# KiCad board MasterController.kicad_pcb (continued)
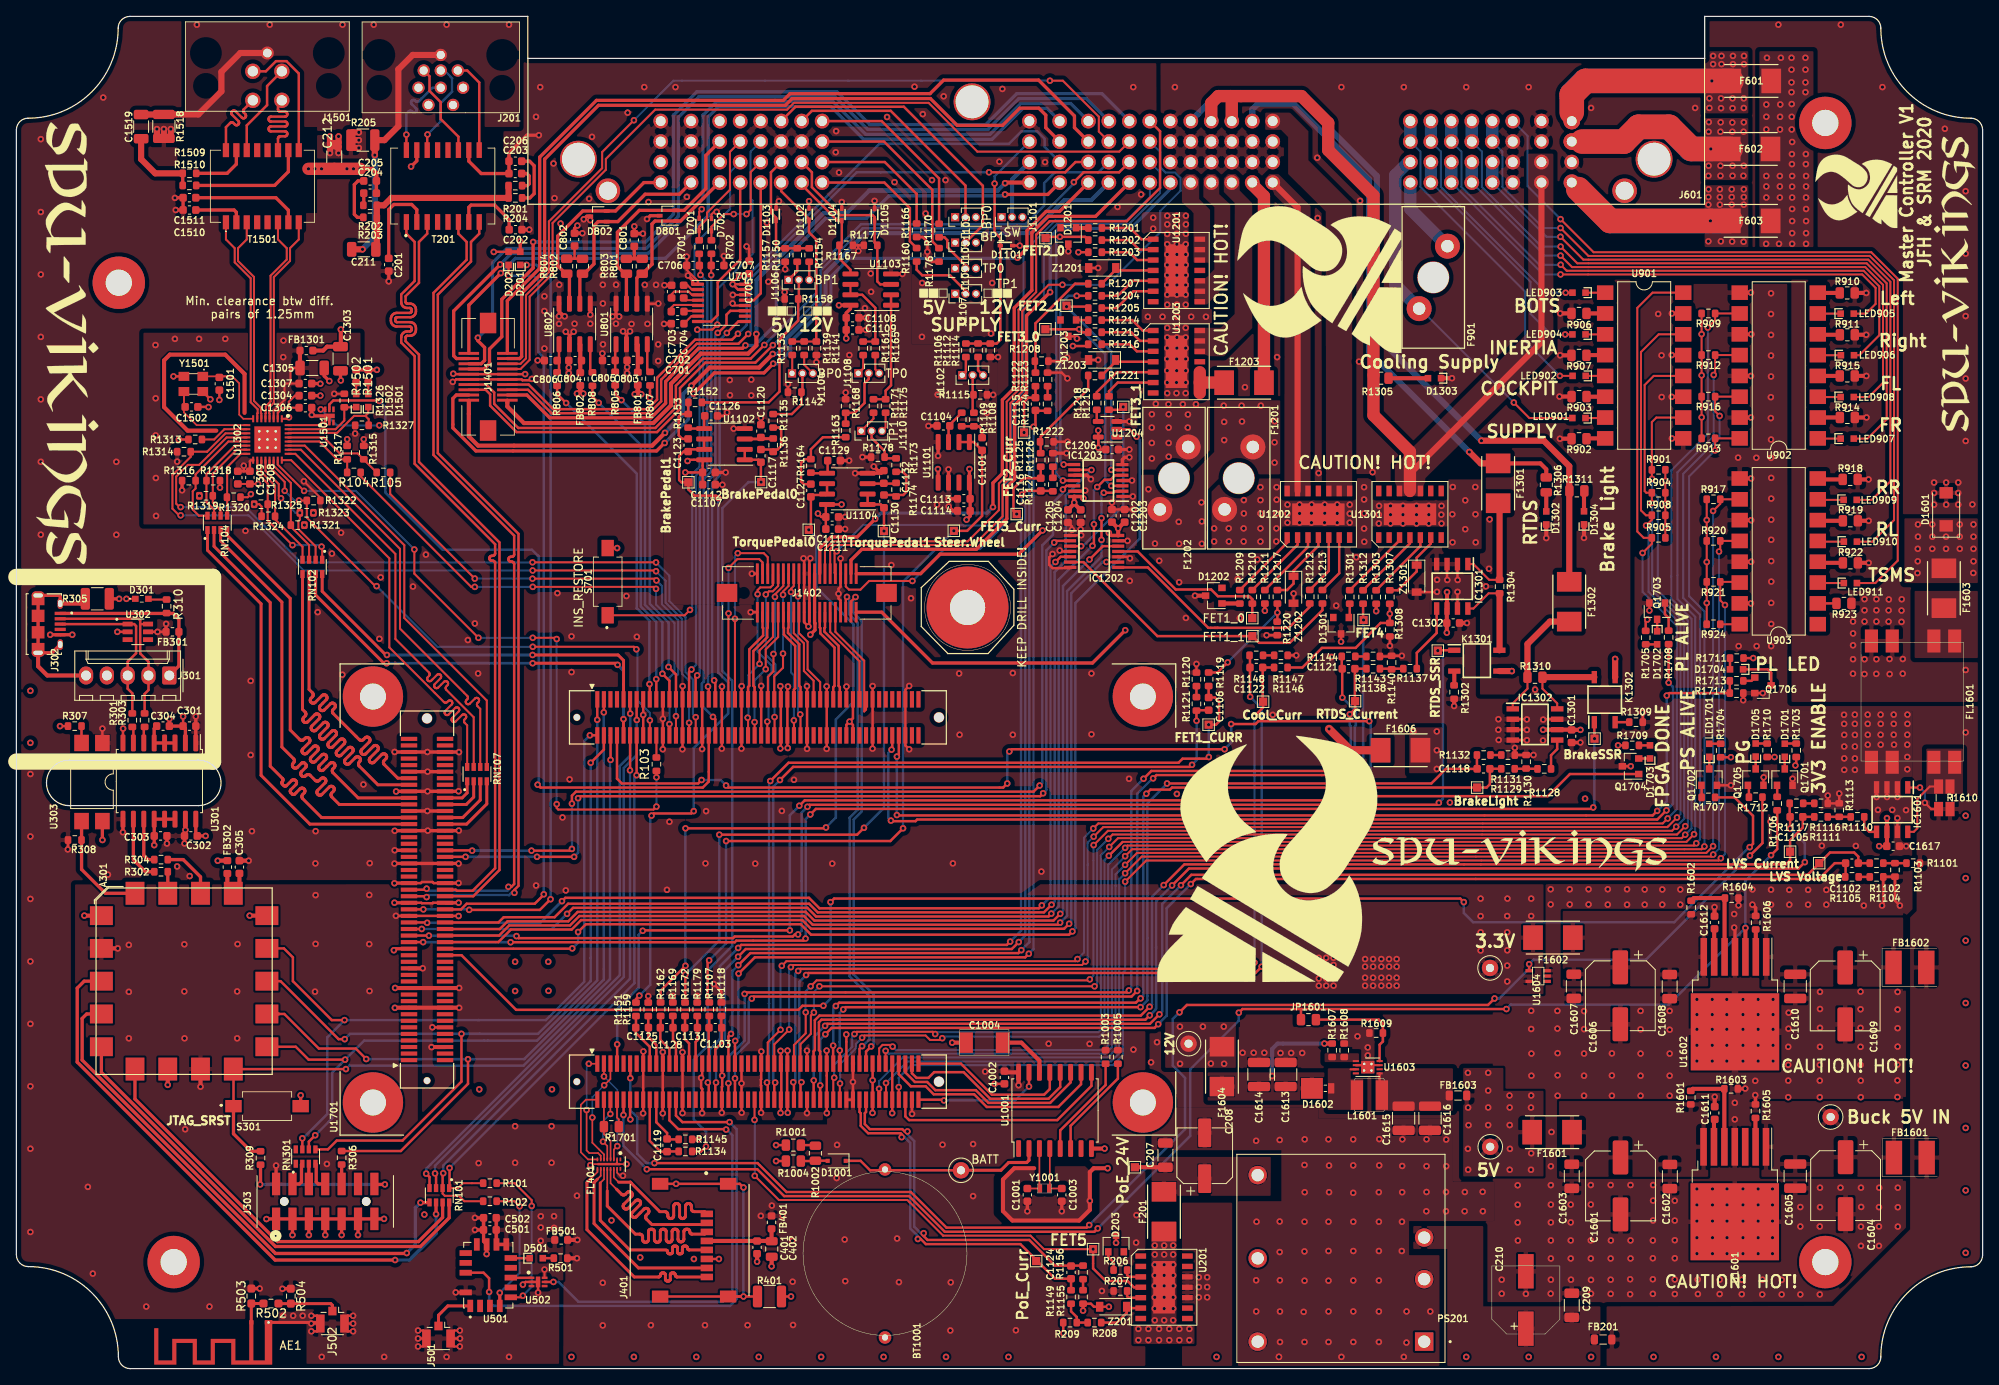
[diagram p0: board, top side]
## Routing (per net, layer and track width the routed paths; a pad name or vN(x,y) marks a point on that pad's centre or on a via; arc(x,y) is an arc through that point) (continued)
Net-(J1102-Pad1): length 2.4
  Top w0.3: R1106.1 115.9,121.66 J1102.1
Net-(J1102-Pad2): length 4.9
  Top w0.3: 117.03,116.78 R1108.2 116.72,116.78 116.72,121.22
Net-(J1102-Pad3): length 2.5
  Top w0.3: J1102.3 117.38,121.83 R1112.1
Net-(J1104-Pad1): length 2.3
  Top w0.25: J1104.1 94.7,121.47 R1133.1
Net-(J1104-Pad2): length 7.8
  Top w0.3: J1104.2 95.94,119.27 R1142.2 95.83,117.65 94.65,116.47 R1135.2
Net-(J1104-Pad3): length 2.7
  Top w0.25: J1104.3 96.16,122.5 R1139.1
Net-(J1106-Pad1): length 2.6
  Top w0.3: J1106.1 95.31,133.92 R1150.1
Net-(J1106-Pad2): length 25.7
  Top w0.3: R1158.2 95.51,130.61 J1106.2 ; R1158.2 95.42,127.85 93.15,125.58 93.15,119.22 91.83,117.9 R1152.2 84.65,117.9 ; R1158.2 95.35,130.53
Net-(J1106-Pad3): length 2.2
  Top w0.3: J1106.3 96.77,132.86 R1154.1
Net-(J1107-Pad2): length 8.4
  Top w0.3: J1107.2 115.86,131.51 113.96,133.41 110.57,133.41 109.88,134.09 R1160.2
Net-(J1108-Pad1): length 2.5
  Top w0.25: R1161.1 103.36,122.05 J1108.1
Net-(J1108-Pad2): length 8.1
  Top w0.3: R1168.2 102.32,116.62 103.53,117.83 103.53,120.23 104.04,120.75 J1108.2 ; R1168.2 101.15,116.55 ; R1168.2 R1163.2
Net-(J1108-Pad3): length 2.4
  Top w0.25: R1165.1 104.84,121.92 J1108.3
Net-(J1109-Pad2): length 5.5
  Top w0.3: R1170.2 113.28,138.05 113.62,137.7 113.62,136.85 115.85,134.62 J1109.2
Net-(J1110-Pad1): length 2.8
  Top w0.25: J1110.1 104.62,115.92 104.62,116.64
Net-(J1110-Pad2): length 5.4
  Top w0.3: 107.32,111.03 R1173.2 106.12,111.08 R1178.2 105.97,111.97 104.39,113.56 J1110.2
Net-(J1110-Pad3): length 2.4
  Top w0.25: J1110.3 106.1,114.86 106.1,116.64
Net-(JP1601-Pad2): length 16
  Top w0.25: 166.8,39.93 R1609.1 166.8,42.07 166.28,42.6
  Top w0.3: U1603.8 166.4,39.53 166.8,39.93 166.8,42.07 166.29,42.58 JP1601.2
Net-(K1301-Pad2): length 1.8
  Top w0.5: R1302.1 175.51,83.4 K1301.2
Net-(K1302-Pad2): length 1.7
  Top w0.3: K1302.2 195.15,78.88 R1309.1
Net-(LED901-Pad1): length 2.4
  Top w0.25: U901.7 193.86,115.99 LED901.1
Net-(LED902-Pad1): length 2.4
  Top w0.25: LED902.1 193.92,121.13 U901.5
Net-(LED903-Pad1): length 2.4
  Top w0.25: U901.1 193.92,131.28 LED903.1
Net-(LED904-Pad1): length 2.4
  Top w0.25: LED904.1 193.91,126.19 U901.3
Net-(LED905-Pad1): length 2.8
  Top w0.25: U902.7 219.9,128.73 LED905.1
Net-(LED906-Pad1): length 2.8
  Top w0.25: U902.5 219.89,123.66 LED906.1
Net-(LED907-Pad1): length 2.8
  Top w0.25: 219.65,114.08 219.64,114.06 ; LED907.1 219.91,113.48 U902.1
Net-(LED908-Pad1): length 2.8
  Top w0.25: LED908.1 219.91,118.56 U902.3 ; 219.65,119.15 219.64,119.14
Net-(LED909-Pad1): length 3.2
  Top w0.25: LED909.1 219.95,106.01 219.88,106.08
Net-(LED910-Pad1): length 3.2
  Top w0.25: LED910.1 219.97,100.91 219.88,101
Net-(LED911-Pad1): length 3.2
  Top w0.25: LED911.1 219.94,95.86 219.88,95.92 ; 219.65,96.63 219.64,96.62
Net-(LED1701-Pad1): length 1.5
  Top w0.3: LED1701.1 206.63,73.18 Q1702.3
Net-(LED1701-Pad2): length 1.4
  Top w0.3: LED1701.2 206.64,76.25 R1704.2
Net-(Q1701-Pad1): length 1.4
  Top w0.3: R1706.1 214.93,71.15 Q1701.1
Net-(Q1702-Pad1): length 1.5
  Top w0.3: Q1702.1 205.7,71.15 R1707.1
Net-(Q1703-Pad1): length 3.6
  Top w0.3: R1708.1 201.68,91.6 201.22,92.05 Q1703.1
Net-(Q1705-Pad1): length 1.5
  Top w0.3: R1712.1 211.47,71.05 Q1705.1
Net-(Q1706-Pad1): length 1.6
  Top w0.3: R1713.1 211.79,83.92 Q1706.1
Net-(R206-Pad1): length 2.4
  Top w0.3: 135.6,12 R206.1 135.57,11.43 135.81,11.19 U201.3
Net-(R207-Pad1): length 2.4
  Top w0.3: 135.59,9.46 R207.1 135.57,8.82 135.75,8.66 U201.5
Net-(R208-Pad1): length 5.9
  Top w0.3: 137.24,7.38 135.61,7.38 135.53,7.3 135.53,6.8 134.34,5.62 R208.1
Net-(R307-Pad2): length 2.1
  Top w0.3: R307.2 7.95,76.34 U303.2
Net-(R807-Pad1): length 3.5
  Top w0.3: U801.4 77,121.95 R807.1
Net-(R808-Pad1): length 3.5
  Top w0.3: U802.4 70.05,121.84 R808.1
Net-(R902-Pad1): length 2.3
  Top w0.5: R902.1 191.69,113.51 U901.8
Net-(R903-Pad1): length 2.3
  Top w0.5: U901.6 191.68,118.59 R903.1
Net-(R906-Pad1): length 2.3
  Top w0.5: R906.1 193.91,128.76 U901.2
Net-(R907-Pad1): length 2.3
  Top w0.5: U901.4 191.67,123.67 R907.1
Net-(R910-Pad1): length 2.7
  Top w0.5: U902.8 219.91,131.25 R910.1
Net-(R911-Pad1): length 2.7
  Top w0.5: 219.66,126.75 219.64,126.77 ; U902.6 219.94,126.15 R911.1
Net-(R914-Pad1): length 2.7
  Top w0.5: 219.65,116.6 219.64,116.61 ; R914.1 219.89,116.06 U902.2
Net-(R915-Pad1): length 2.7
  Top w0.5: R915.1 U902.4 ; 219.65,121.67 219.64,121.69
Net-(R918-Pad1): length 3.1
  Top w0.25: 219.65,108.98 219.64,108.98
  Top w0.5: R918.1 220,108.5 U903.8
Net-(R919-Pad1): length 3.1
  Top w0.5: U903.6 219.97,103.45 R919.1
Net-(R922-Pad1): length 3.1
  Top w0.5: U903.4 220.01,98.32 R922.1
Net-(R923-Pad1): length 2.4
  Top w0.3: U903.2 R923.1
  Top w0.5: 219.94,93.31 U903.2
Net-(R924-Pad2): length 2.4
  Top w0.25: R924.2 210.34,90.83 U903.16
Net-(R1001-Pad2): length 1.8
  Top w0.3: R1001.2 97.45,27.27 R1002.2 97.54,27.2
Net-(R1003-Pad1): length 12.6
  Top w0.3: U1001.5 127.41,29.06 132.95,34.6 R1003.1
Net-(R1005-Pad2): length 12.7
  Top w0.3: U1001.6 128.68,29.62 134.45,35.39 R1005.2
Net-(R1101-Pad1): length 2.8
  Top w0.3: R1101.1 R1102.2
Net-(R1104-Pad1): length 1.3
  Top w0.3: 226.22,60 R1105.2
Net-(R1110-Pad1): length 2.8
  Top w0.3: R1110.1 R1111.2
Net-(R1116-Pad1): length 1.3
  Top w0.3: R1117.2 R1116.1
Net-(R1120-Pad1): length 1.3
  Top w0.3: R1121.2 R1120.1
Net-(R1123-Pad1): length 1.4
  Top w0.3: R1124.2 R1123.1
Net-(R1126-Pad1): length 1.3
  Top w0.3: R1127.2 R1126.1
Net-(R1128-Pad1): length 2.8
  Top w0.3: R1129.2 185.66,73.19 R1128.1
Net-(R1131-Pad1): length 1.3
  Top w0.3: R1131.1 R1132.2
Net-(R1137-Pad1): length 2.8
  Top w0.3: R1138.2 169.28,85.41
Net-(R1143-Pad1): length 1.4
  Top w0.3: R1143.1 R1144.2
Net-(R1147-Pad1): length 1.4
  Top w0.3: R1148.2 R1147.1
Net-(R1155-Pad1): length 1.3
  Top w0.3: R1155.1 R1156.2
Net-(R1161-Pad2): length 10.6
  Top w0.25: R1161.2 R1165.2 ; U1103.7 U1103.6
  Top w0.3: U1103.7 103.24,131.03 104.84,129.44 R1165.2
Net-(R1171-Pad2): length 14.5
  Top w0.3: R1171.2 R1175.2 106.1,119.33 106.76,119.98 U1103.1 U1103.2
Net-(R1201-Pad1): length 6.8
  Top w0.3: R1201.1 135.94,139.18 137.31,137.81 U1201.1
Net-(R1202-Pad1): length 6.7
  Top w0.3: U1201.2 137.05,136.54 135.89,137.7 132.5,137.7
Net-(R1203-Pad1): length 6.7
  Top w0.3: 132.5,136.22 135.85,136.22 136.8,135.27 U1201.3
Net-(R1204-Pad1): length 7
  Top w0.3: R1204.1 134.43,130.9 136.26,132.73 U1201.5
Net-(R1205-Pad1): length 7.1
  Top w0.3: U1201.6 136.35,131.46 134.3,129.41 R1205.1
Net-(R1207-Pad1): length 6.9
  Top w0.3: R1207.1 134.1,134 U1201.4
Net-(R1209-Pad1): length 8.8
  Top w0.3: R1209.1 155.12,100.78 U1202.1
Net-(R1210-Pad1): length 8.7
  Top w0.3: R1210.1 156.38,100.53 156.38,101.41
Net-(R1211-Pad1): length 8.6
  Top w0.3: U1202.3 157.66,100.27 R1211.1
Net-(R1212-Pad1): length 7.4
  Top w0.3: R1212.1 160.19,97.33 U1202.5
Net-(R1213-Pad1): length 7.2
  Top w0.3: 159.42,95 161.47,97.05 U1202.6
Net-(R1214-Pad1): length 6.8
  Top w0.3: U1203.1 137.47,126.67 136.2,127.94 R1214.1
Net-(R1215-Pad1): length 6.7
  Top w0.3: R1215.1 136.09,126.46 137.15,125.4 U1203.2
Net-(R1216-Pad1): length 6.6
  Top w0.3: R1216.1 135.91,124.99 136.77,124.13 U1203.3
Net-(R1217-Pad1): length 9.2
  Top w0.3: U1202.4 158.93,100.4 155.89,97.36 Z1202.1 155.89,95.79 155.1,95 R1217.1
Net-(R1218-Pad1): length 8.4
  Top w0.3: U1203.5 134.32,121.59 131.87,119.14 R1218.1
Net-(R1219-Pad1): length 6.4
  Top w0.3: U1203.6 134.43,120.32 133.36,119.25 R1219.1
Net-(R1221-Pad1): length 7
  Top w0.3: U1203.4 134.16,122.86 R1221.1
Net-(R1301-Pad1): length 8.9
  Top w0.3: U1301.3 168.83,101.06 R1301.1
Net-(R1303-Pad1): length 8.7
  Top w0.3: R1303.1 171.37,100.36 U1301.5
Net-(R1307-Pad1): length 9.1
  Top w0.3: R1307.1 168.62,94.97 170.92,97.27 Z1301.1 170.92,98.94 172.64,100.67 U1301.6
Net-(R1312-Pad1): length 8.8
  Top w0.3: R1312.1 170.1,100.7 U1301.4
Net-(R1313-Pad1): length 6
  Top w0.25: R1313.1 24.14,113.38 25.39,114.62 U1302.10
Net-(R1509-Pad1): length 7.1
  Top w0.4: T1501.15 26.85,146.97 25.73,145.85 R1509.1
Net-(R1510-Pad1): length 13.8
  Top w0.4: R1510.1 31.52,144.38 33.2,146.05 33.2,147.86
Net-(R1601-Pad2): length 11.3
  Top w0.5: R1601.2 204.62,34.14 R1603.1 208.47,27.07 U1601.5
Net-(R1602-Pad2): length 11.5
  Top w0.5: R1602.2 204.75,57.42 R1604.1 208.5,57.37 U1602.5
Net-(R1605-Pad1): length 3.5
  Top w0.5: U1601.2 212.28,27.08 R1605.1
Net-(R1606-Pad1): length 3.4
  Top w0.5: R1606.1 212.31,53.57 U1602.2
Net-(R1701-Pad2): length 3.4
  Top w0.2: R1701.2 73.54,30.41 73.31,30.64 U1701.JX2.8
Net-(U501-Pad7): length 2.5
  Top w0.3: U501.7 60.38,11.07 U502.1

## Copper pours and planes (outline as drawn; the poured copper is in the pictures)
+3V3 on Top: 186.4,45.7 137.8,45.7 137.8,0 66.75,0 66.8,19.61 54.3,19.61 47.75,13.46 31.04,13.41 7.16,37.34 7.16,59.08 49,59.1 49,29.8 98.95,29.8 98.95,40.15 125,59.1 186.4,59.1
+3V3 on Bottom: 137.8,0 48.22,0 48.22,25.5 98.95,25.5 98.95,40.15 137.8,40.15
+3V3 on In2.Cu: 169.1,45.7 164,45.7 164,78.38 151.22,91.15 133.38,91.15 127.6,96.92 127.6,141.1 136.03,141.1 136.05,99.17 169.1,99.17
+3V3 on In2.Cu: 218.6,35.55 183,35.55 183,46.65 178,46.65 178,69 198,69 198,132.22 215.1,132.22 215.1,80.25 218.6,80.25
+3V3 on In2.Cu: 132.43,87.2 149.15,87.2 161.3,75 161.3,45.7 127.43,45.7 99,74.1 99,93.2 71,93.2 71,28.95 79.65,20.3 140.3,20.3 140.3,2.44 126.69,2.39 123.09,5.95 53.9,5.95 48.77,10.97 26.41,10.97 4.01,34.85 4.01,64.21 -0.05,64.21 0,70.5 0,101.5 15.5,101.5 15.5,132.4 25.2,142.1 113,142.1 113,126.25 119.7,119.55 119.75,99.88
+5V on Top: 174.1,72.65 170,72.65 170,78.25 174.1,78.25
+5V on Top: 186.4,23.45 176.6,23.45 176.6,36.7 181.5,36.7 181.5,33.9 186.4,33.9
+5V on In2.Cu: 177.62,81.35 197,81.35 197,70.1 177.2,70.1 177.2,61.5 170,61.5 170,70.1 170,99.17 177.62,99.17
+5V on In2.Cu: 230.3,22.5 79.65,22.5 73.22,28.93 73.22,92.03 97.25,92 97.25,72.9 134.35,35.68 170,35.7 170,66.3 177.2,66.3 177.2,46 181.5,46 181.5,33.9 220.35,33.9 220.35,72.1 230.3,72.1
+12V on Top: 148.85,36.7 140.22,36.7 140.22,42.3 148.85,42.3
+12V on In2.Cu: 148.85,36.7 140.22,36.7 140.22,42.3 148.84,42.3
+24V on Top: 141.6,17.95 141.6,5.3 143.8,5.3 143.8,3 136.35,3 136.35,5.3 138.55,5.3 138.55,17.95
/Bluetooth/3V3_BT on Top: 66.75,10.77 59.28,10.82 59.28,14.23 57.81,14.23 57.81,19.51 66.75,19.5
/Bluetooth/3V3_BT on Bottom: 66.65,9.81 62.13,9.81 62.13,14.17 57.96,14.17 57.91,19.51 66.65,19.5
/Driverless/VDDA on Top: 42,103 15.5,103 15.5,126.4 42,126.4
/Driverless/VDDA on Bottom: 42,103 15.5,103 15.5,126.4 42,126.4
/Liveview/24V_PoE on Top: 148.4,20.25 148.4,0 142.28,0 142.28,20.25
/Liveview/24V_PoE on In2.Cu: 148.4,20.25 148.4,0 142.2,0 142.2,20.25
/Liveview/Vin_24V_PoE on Top: 170.5,14.6 170.5,17.4 179.05,17.4 179.05,7.6 193.35,7.6 193.35,0 174.65,0 174.65,14.6
GND on Top: 188.83,79.85 188.83,74.4 180.29,74.4 180.29,79.85
GND on Top: 216.17,87.66 209.11,87.66 209.11,111.35 197.78,111.35 197.78,132.41 216.17,132.41
GND on Top: 172.5,98.93 176.53,98.93 176.53,91.98 172.5,91.98
GND on Top: 126.95,116.45 136.55,116.45 136.55,96.9 124.3,96.9 124.3,113.8
GND on Top: 80.5,132.86 80.5,122.25 63.77,122.25 63.77,132.86
GND on Top: 165.75,41.7 165.75,36.03 164.15,36.03 164.15,39.28 161.6,39.28 161.6,41.7
GND on Top: 216.4,80.25 231.4,80.25 231.4,62.55 216.4,62.55
GND on Top: 243,0 35.4,0 35.4,5.44 32,5.44 32,7.16 27.94,7.16 27.94,6.05 -3,6.05 -3,165 243,165.03
GND on Top: 119.7,100.28 104.75,100.12 104.75,93.2 79,93.2 79,125 100.55,125 100.55,134.75 109.3,134.75 109.3,125 119.7,125
GND on Top: 230.3,17.5 221.1,8.3 180.2,8.3 180.2,59.1 230.3,59.1
GND on Top: 131.28,23.88 131.28,19.28 129.82,17.82 121.47,17.82 120.18,19.12 120.18,23.18 121.7,24.7 130.45,24.7
GND on Top: 154.4,20.43 154.4,26.65 138.55,26.65 138.55,31.9 158.9,31.9 158.9,30.55 175.35,30.55 175.35,22.8 180.4,22.8 180.4,18 170,18 170,13.85 173.7,13.85 173.7,0 149.1,0 149.1,20.43
GND on Top: 163.9,41.7 163.9,39.28 158.35,39.28 158.35,36.75 149.2,36.72 149.2,41.7
GND on Bottom: 243,0 -3,0 -3,165 243,165.03
GND on Bottom: 131.28,23.88 131.28,19.28 129.82,17.82 121.47,17.82 120.18,19.12 120.18,23.18 121.7,24.7 130.45,24.7
GND on In1.Cu: 243,0 -3,0 -3,165 243,165.03
GND on In1.Cu: 131.28,23.88 131.28,19.28 129.82,17.82 121.47,17.82 120.18,19.12 120.18,23.18 121.7,24.7 130.45,24.7
GND on In2.Cu: 131.28,23.88 131.28,19.28 129.82,17.82 121.47,17.82 120.18,19.12 120.18,23.18 121.7,24.7 130.45,24.7
GND-1 on Top: 40.7,151.03 20.65,151.03 20.65,165 40.7,165
GND-1 on Bottom: 40.7,151.03 20.65,151.03 20.65,165 40.7,165
GND-1 on In1.Cu: 40.7,151.03 20.65,151.03 20.65,165 40.7,165
GND-2 on Top: 61.4,151.5 42.2,151.5 42.2,165 61.4,165
GND-2 on Bottom: 61.4,151.5 42.2,151.5 42.2,165 61.4,165
GND-2 on In1.Cu: 61.4,151.5 42.2,151.5 42.2,165 61.4,165
GND-LV_Unfiltered on Top: 243,81.35 216.67,81.35 216.65,132.86 197,132.86 197,82.25 178.65,82.25 178.65,100 174.53,100 174.53,102.5 165.68,102.5 165.68,100 163.35,100 163.35,102.5 154.53,102.5 154.53,100 137.3,100 137.35,118.45 139.72,118.45 139.72,127.28 137.35,127.28 137.35,129.57 139.72,129.57 139.72,138.43 137.35,138.43 137.35,141.12 139.72,141.12 139.62,165 243,165
GND-LV_Unfiltered on Bottom: 243,81.35 216.67,81.35 216.65,132.86 197,132.86 197,82.25 178.65,82.25 178.65,100 174.53,100 174.53,102.5 165.68,102.5 165.68,100 163.35,100 163.35,102.5 154.53,102.5 154.53,100 137.3,100 137.35,118.45 139.72,118.45 139.72,127.28 137.35,127.28 137.35,129.57 139.72,129.57 139.72,138.43 137.35,138.43 137.35,141.12 139.72,141.12 139.62,165 243,165
GND-LV_Unfiltered on In1.Cu: 243,81.35 216.67,81.35 216.65,132.86 197,132.86 197,82.25 178.65,82.25 178.65,100 174.53,100 174.53,102.5 165.68,102.5 165.68,100 163.35,100 163.35,102.5 154.53,102.5 154.53,100 137.3,100 137.35,118.45 139.72,118.45 139.72,127.28 137.35,127.28 137.35,129.57 139.72,129.57 139.72,138.43 137.35,138.43 137.35,141.12 139.72,141.12 139.62,165 243,165
GND-USB on Bottom: 23,75.1 0,75.1 0,95.6 23,95.6
GND-USB on In1.Cu: 23,75.1 0,75.1 0,95.6 23,95.6
VBUS on Top: 23,75.1 0,75.1 0,95.6 23,95.6
VBUS on In2.Cu: 23,75.1 0,75.1 0,95.6 23,95.6
(no net) on Top: 131.7,23.95 131.7,19.18 130,17.47 121.3,17.47 119.8,18.97 119.8,23.25 121.68,25.12 130.53,25.12
(no net) on Bottom: 131.7,23.95 131.7,19.18 130,17.47 121.3,17.47 119.8,18.97 119.8,23.25 121.68,25.12 130.53,25.12
(no net) on In1.Cu: 131.7,23.95 131.7,19.18 130,17.47 121.3,17.47 119.8,18.97 119.8,23.25 121.68,25.12 130.53,25.12
(no net) on In2.Cu: 131.7,23.95 131.7,19.18 130,17.47 121.3,17.47 119.8,18.97 119.8,23.25 121.68,25.12 130.53,25.12
/Actuator/Cool_V_Out on Top: 187.6,123.97 171.97,108.65 171.95,106.45 168.25,106.45 168.25,110.25 184.55,126.5 184.53,148.25 187.6,148.25
/CMC/AMS_Supply on Top: 156.01,143.8 157.97,141.85 157.97,106.42 154.78,106.42 154.79,141.98 152.45,144.32 152.45,145.26 152.96,145.77 154.07,145.74
/CMC/INV12_Supply on Top: 144.37,145.22 144.37,142.72 145.7,141.4 145.7,134.95 143.68,134.95 143.68,141 142.27,142.31 142.27,145.19 142.82,145.74 143.85,145.74
/CMC/INV34_Supply on Top: 149.32,145.24 149.32,143.75 150.85,142.2 150.85,126.97 147.4,123.53 143.78,123.55 143.78,127 147.01,127 148.7,128.69 148.71,142.24 147.38,143.57 147.38,145.24 147.9,145.76 148.8,145.76
/CMC/TSC_Supply on Top: 146.82,145.23 146.82,143.31 148.17,142.05 148.18,132.82 145.35,129.85 143.8,129.85 143.8,133.05 145.12,133.05 146.22,134.13 146.22,141.72 144.88,142.97 144.88,145.23 145.41,145.76 146.29,145.76
/Liveview/Vo_24V_PoE on Top: 138.57,25.82 153.12,25.82 153.1,21.07 141.6,21.07 141.6,20.35 138.55,20.35
/PowerDistribution/Dash_V_Out on Top: 157.7,151 157.7,147.45 163.05,142.12 163.05,106.42 159.85,106.42 159.82,141.2 155.22,145.78 155.22,150.28 154.38,151.15 152.43,151.15 152.43,153.25 155.45,153.25
/PowerSupply/Boost_12V_in on Top: 165.9,31.45 165.9,36.65 175.35,36.65 175.35,31.45
/PowerSupply/Boost_12V_out on Top: 159.65,32.7 145.4,32.7 145.4,36.15 159.65,36.15
/PowerSupply/Boost_SW on Top: 164.03,36.28 162.88,36.28 162.88,35.38 164.4,35.38 164.4,31.57 160.07,31.57 160.07,36.65 164.03,36.65
/PowerSupply/Buck_3V3_in on Top: 230.3,46.6 213,46.6 213,55.05 230.3,55.05
/PowerSupply/Buck_3V3_out on Top: 206.5,46.65 188.75,46.65 188.75,55.85 206.5,55.85
/PowerSupply/Buck_5V_in on Top: 230.3,23.4 213,23.4 213,32.65 230.3,32.65
/PowerSupply/Buck_5V_out on Top: 206.5,23.4 188.3,23.4 188.3,32.65 206.5,32.65
/PowerSupply/CHOKE_IN on Top: 239.99,86.7 231.7,86.71 231.7,94.9 240,94.9
CHOKE_OUT on Top: 237.6,70.12 233.1,70.12 233.11,75.65 237.6,75.65
LV on Top: 240,11.45 227,0 194.1,-0.03 194.1,7.6 221.8,7.65 231.15,17 231.15,55.05 231.95,55.85 231.95,69.35 240,69.35
LV_Fused_10A on Top: 154.5,106.05 163.62,106.05 163.62,108.65 165.4,108.65 165.42,106.05 174.75,106.05 174.75,108.5 178.85,108.5 178.85,100 174.75,100 174.75,102.75 165.4,102.75 165.4,100.07 163.63,100.07 163.62,100.08 163.62,102.75 154.5,102.75 154.5,100 145.8,100 145.8,108.65 154.5,108.65
LV_Fused_10A on In2.Cu: 178.85,100 174.75,100 174.75,102.75 165.4,102.75 165.4,100.07 163.63,100.07 163.63,102.75 154.5,102.75 154.5,100 145.8,100 145.8,106.62 147.82,108.65 154.5,108.65 154.5,106.05 163.63,106.05 163.63,108.65 165.4,108.65 165.42,106.05 174.75,106.05 174.75,108.5 178.85,108.5
LV_Fused_15A on Top: 143.07,129.3 145.93,129.3 145.93,127.55 143.1,127.55 143.1,118.15 146,118.15 146,109.7 137.35,109.7 137.35,118.15 140.1,118.15 140.1,127.55 137.35,127.55 137.35,129.3 140.09,129.3 140.09,138.43 137.35,138.43 137.35,141.12 143.07,141.12
LV_Fused_15A on In2.Cu: 145.92,127.55 143.1,127.55 143.1,118.15 144.6,118.15 144.6,111.55 142.75,109.7 137.35,109.7 137.35,118.15 140.1,118.15 140.1,127.55 137.35,127.55 137.35,129.3 140.09,129.3 140.09,138.43 137.35,138.43 137.35,141.12 143.07,141.12 143.07,129.3 145.92,129.3
LV_Unfiltered on Top: 154.3,109.12 147.28,109.12 145.38,107.22 145.38,100 137.28,100 137.28,109.08 143.43,109.08 146.2,111.85 146.2,118.15 154.3,118.15
LV_Unfiltered on Top: 219.35,136.85 212.75,136.85 212.75,160.75 219.35,160.75
LV_Unfiltered on Top: 240,95.85 230.45,95.85 230.45,103.75 240,103.75
LV_Unfiltered on Bottom: 154.3,109.12 147.28,109.12 145.38,107.22 145.38,100 137.28,100 137.28,109.08 143.43,109.08 146.2,111.85 146.2,118.15 154.3,118.15
LV_Unfiltered on In2.Cu: 240,81.33 216.67,81.35 216.65,132.86 197,132.86 197,82.25 178.65,82.25 178.65,100 174.53,100 174.53,102.5 165.68,102.5 165.68,100 163.35,100 163.35,102.5 154.53,102.5 154.53,100 137.3,100 137.35,118.45 139.72,118.45 139.72,127.28 137.35,127.28 137.35,129.57 139.72,129.57 139.72,138.43 137.35,138.43 137.35,141.12 139.72,141.12 139.62,165 240,165
Net-(F601-Pad2) on Top: 211.4,153.18 206.07,153.18 206.07,160.75 211.4,160.75
Net-(F601-Pad2) on Bottom: 211.4,153.18 206.07,153.18 206.07,160.75 211.4,160.75
Net-(F602-Pad2) on Top: 211.4,145.03 206.07,145.03 206.07,152.6 211.4,152.6
Net-(F602-Pad2) on Bottom: 211.4,145.03 206.07,145.03 206.07,152.6 211.4,152.6
Net-(F603-Pad2) on Top: 211.4,136.82 206.07,136.82 206.07,144.4 211.4,144.4
Net-(F603-Pad2) on Bottom: 211.4,136.82 206.07,136.82 206.07,144.4 211.4,144.4
Net-(R1607-Pad2) on Top: 163.88,37.4 159.68,37.4 159.68,38.47 163.88,38.47

## Text on the board
F.SilkS: Min. clearance btw diff. / pairs of 1.25mm | BP1 | BP0 | TP0 | BATT | TP1 | SW | FET1_0 | FET1_1 | INS_RESTORE | KEEP DRILL INSIDE! | JTAG_SRST | BrakePedal0 | TorquePedal0 | TorquePedal1 | Steer.Wheel | FET3_Curr | FET3_0 | FET2_1 | FET2_0 | FET1_CURR | Cool_Curr | RTDS_Current | FET4 | BrakeLight | BrakeSSR | LVS Current | LVS Voltage | BrakePedal1 | FET2_Curr | FET3_1 | 12V | RTDS_SSR | FET5 | PoE_Curr | PoE_24V | PL ALIVE | Master Controller V1 | JFH & SRM 2020 | CAUTION! HOT! | TSMS | RL | RR | Right | FR | FL | 5V | SUPPLY | Cooling Supply | 3.3V | COCKPIT | INERTIA | BOTS | PL LED | Left | Buck 5V IN | RTDS | Brake Light | FPGA DONE | PS ALIVE | PG | 3V3 ENABLE
